# Altium PCB DMB.PcbDoc
Units mm, origin at the board's own origin, x right, y up, seen from the top; angles counter-clockwise.
Board outline 57 x 65.3 mm, 4 copper layers (Top Layer, Layer 1, Layer 2, Bottom Layer), stack 1.544 mm thick; 70 components, 69 nets, 298 pads, 172 vias.
Unrouted connection lines stored in the file: 4.
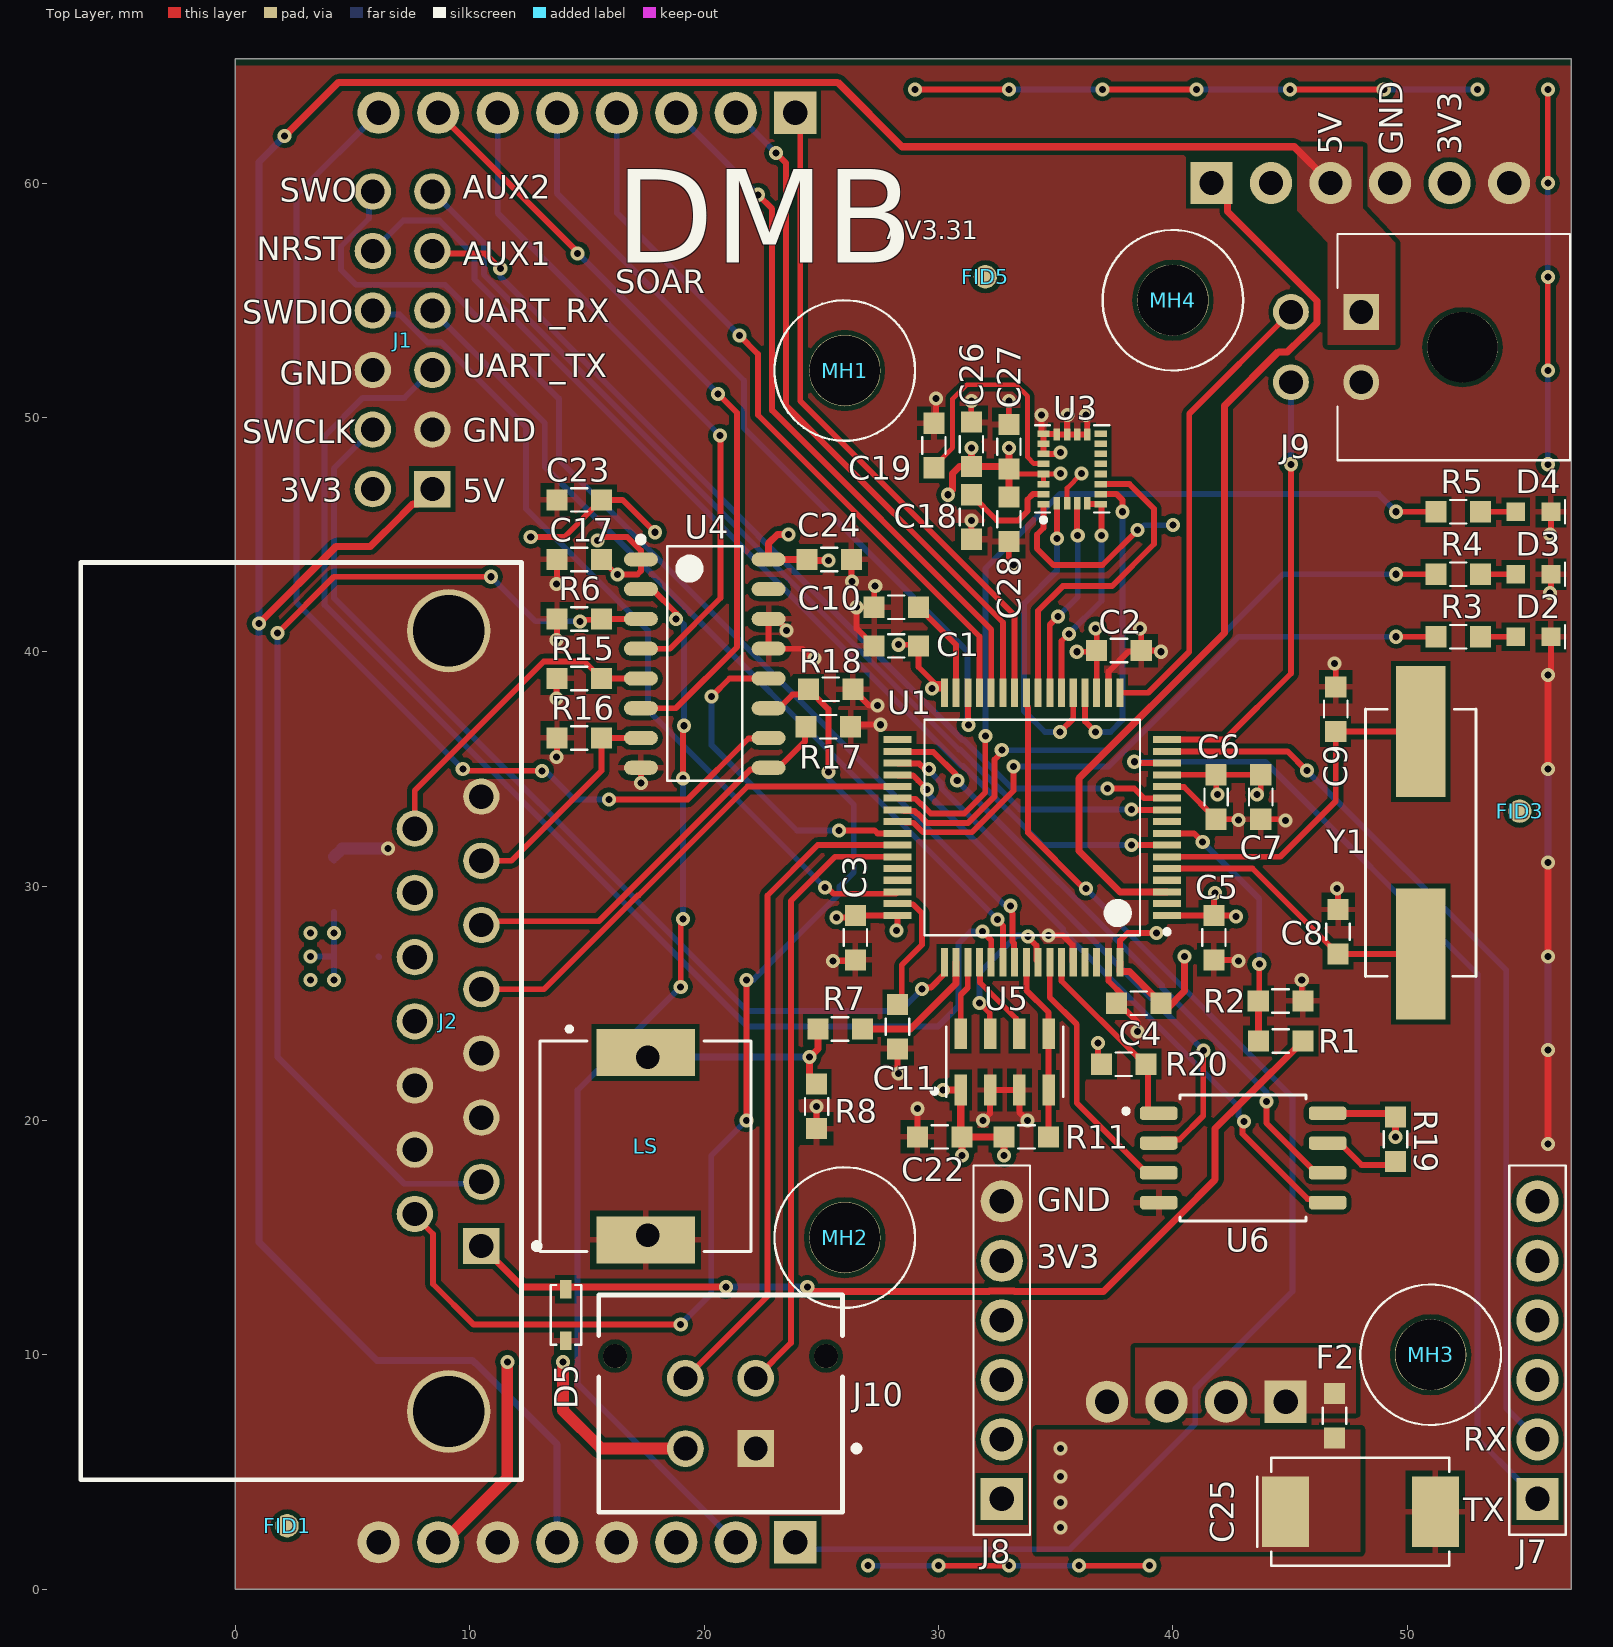
[diagram p0: Top Layer view]
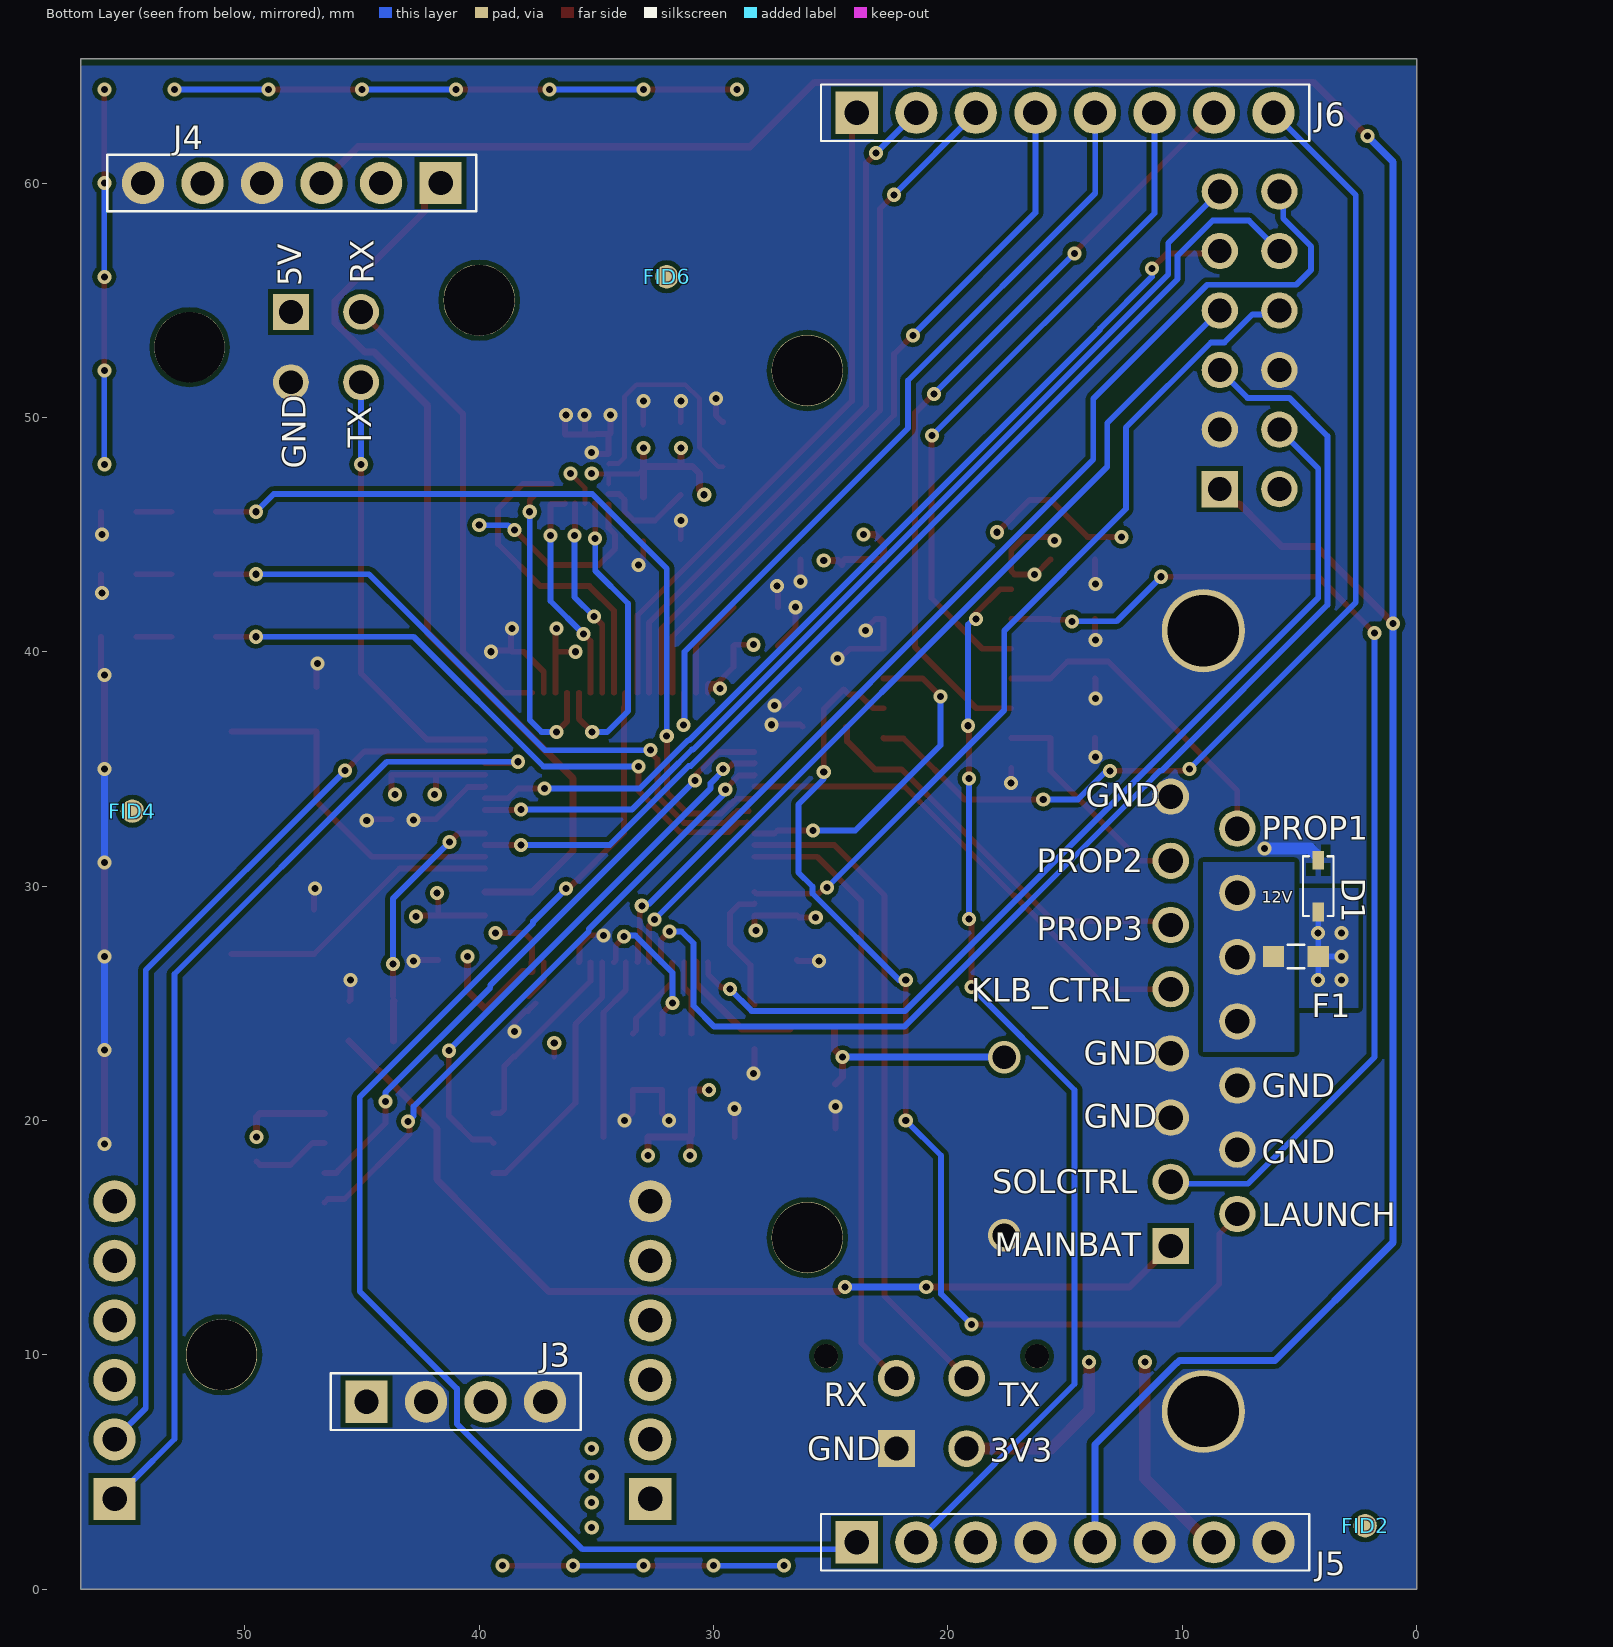
[diagram p1: Bottom Layer view, seen from below]
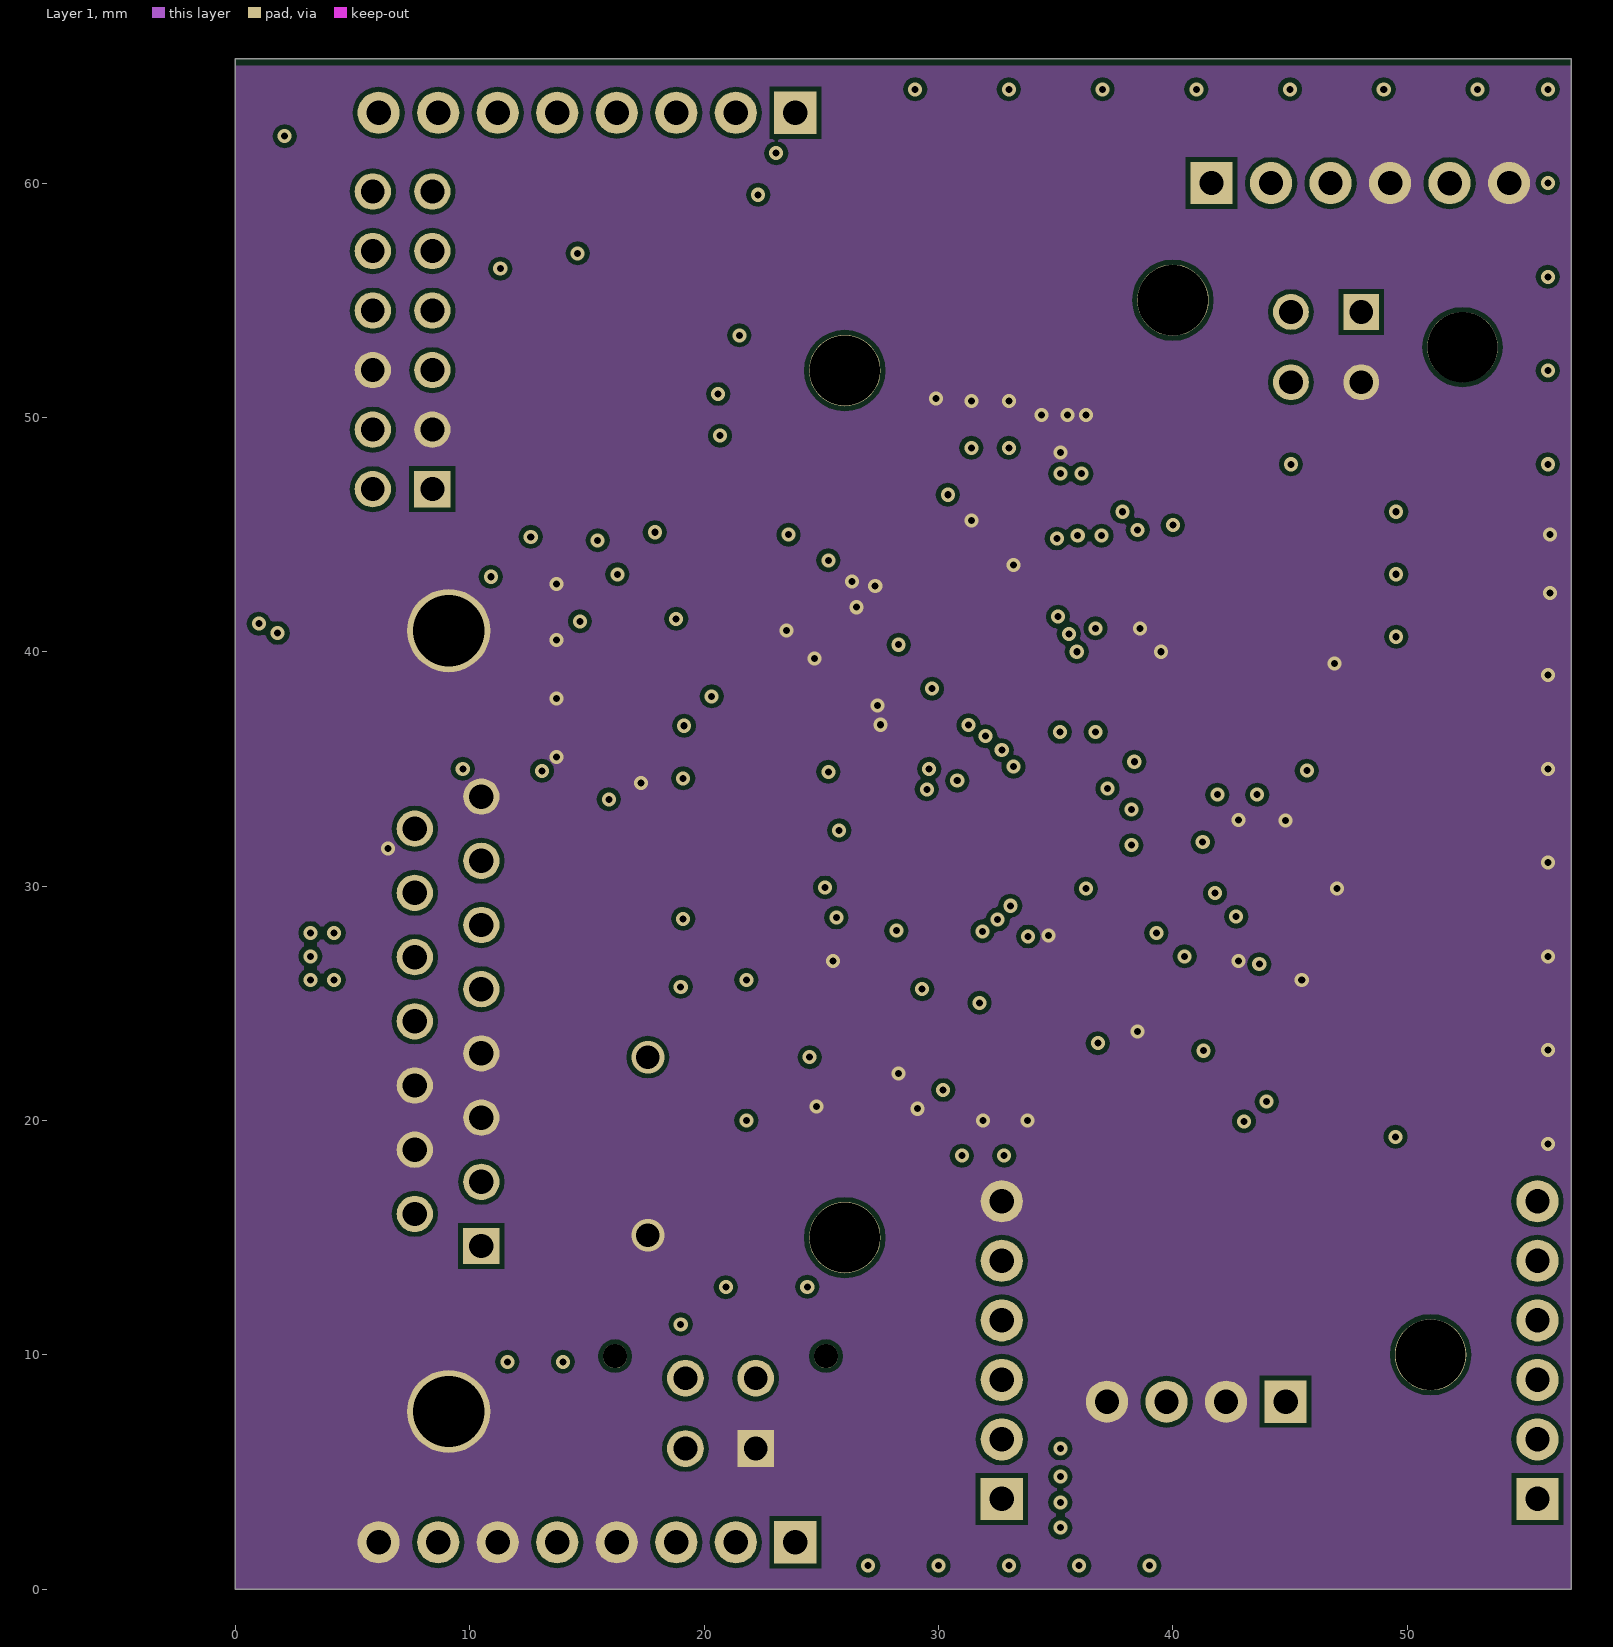
[diagram p2: Layer 1]
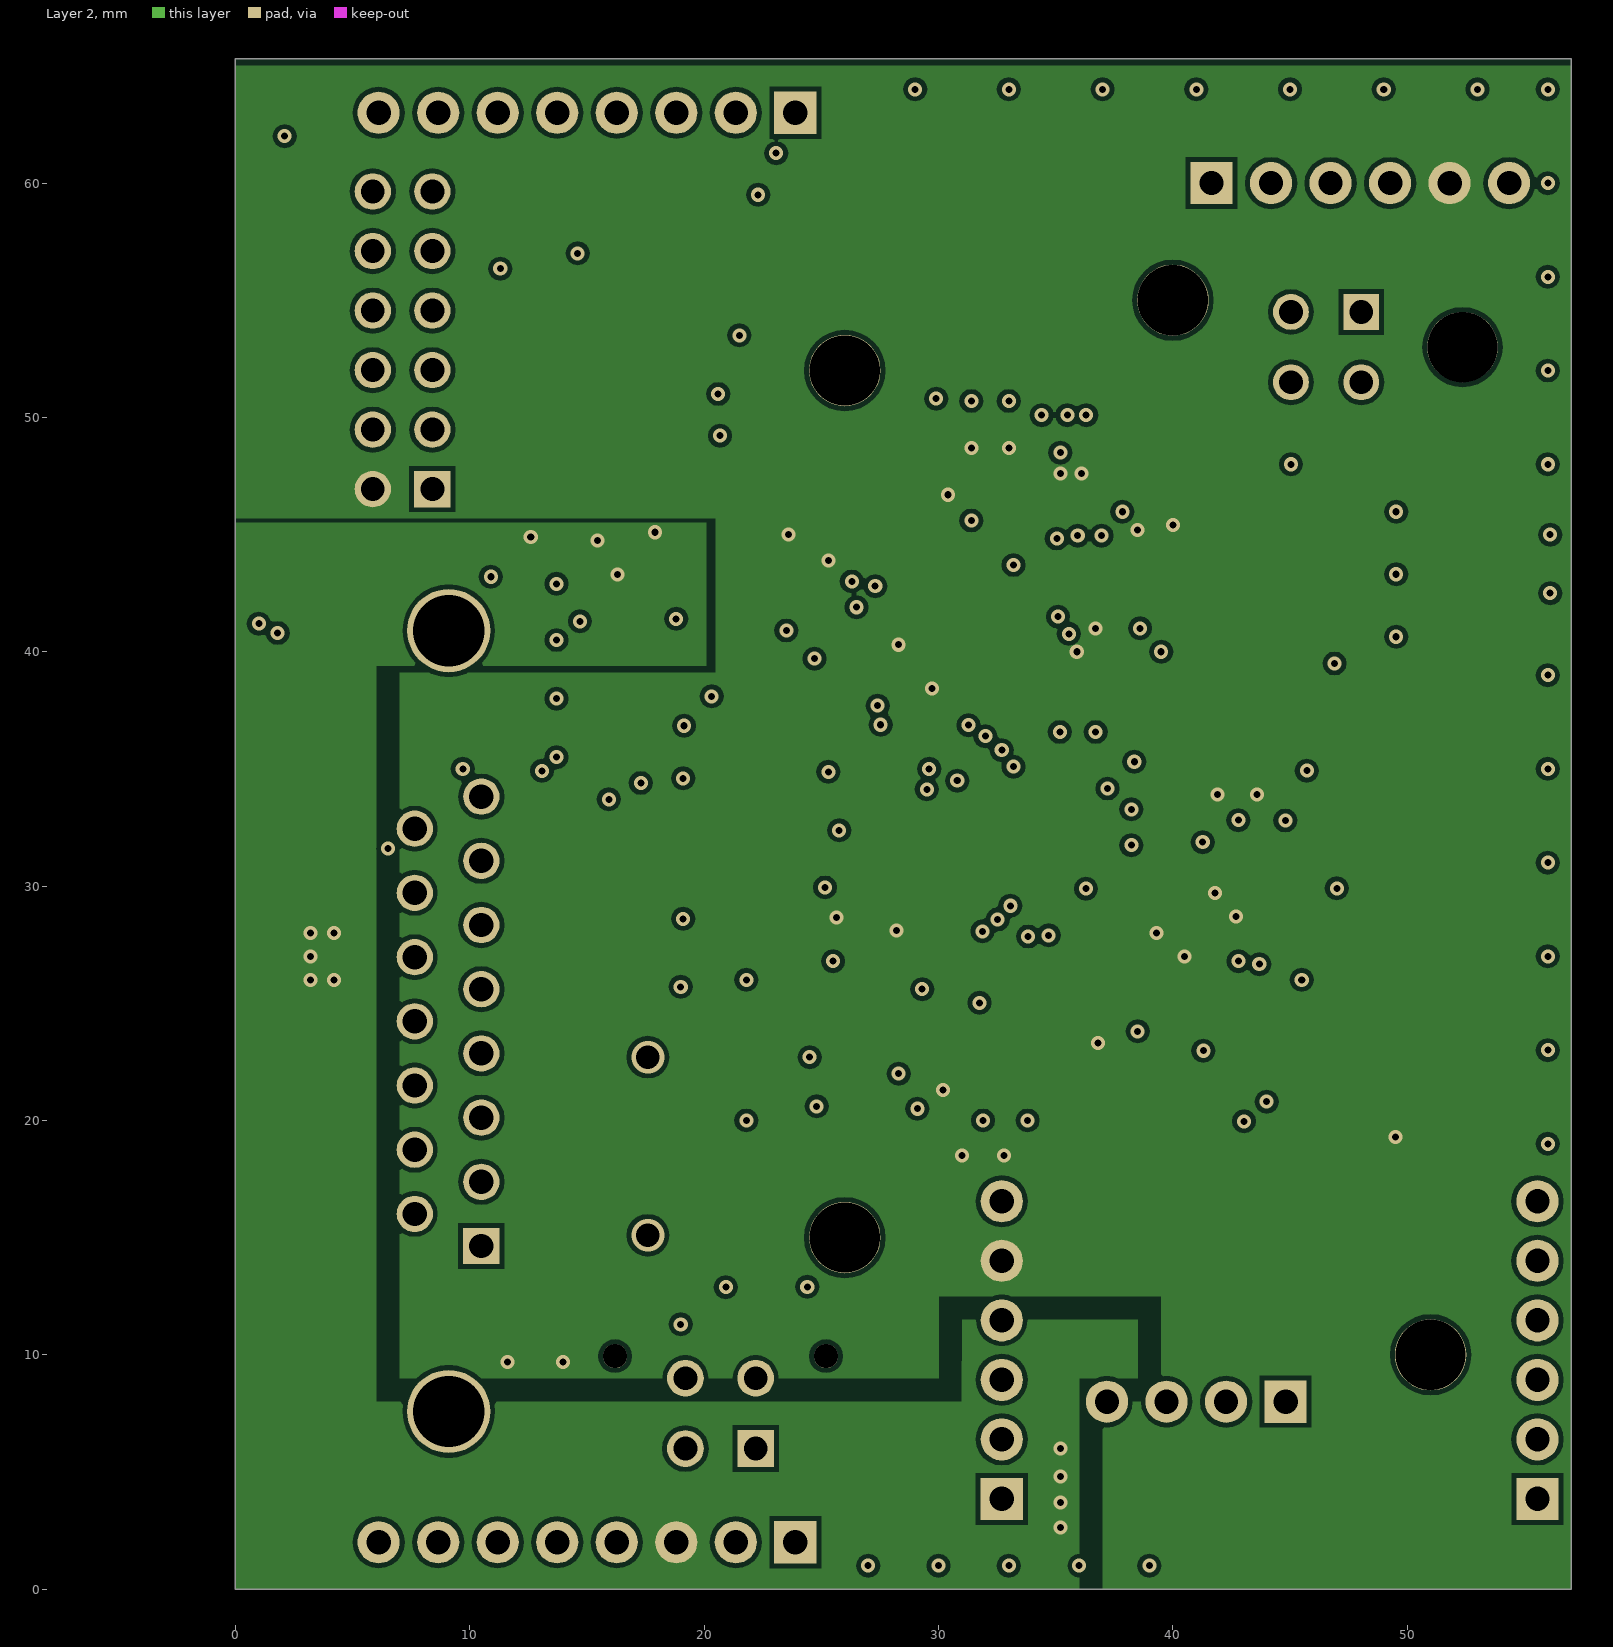
[diagram p3: Layer 2]
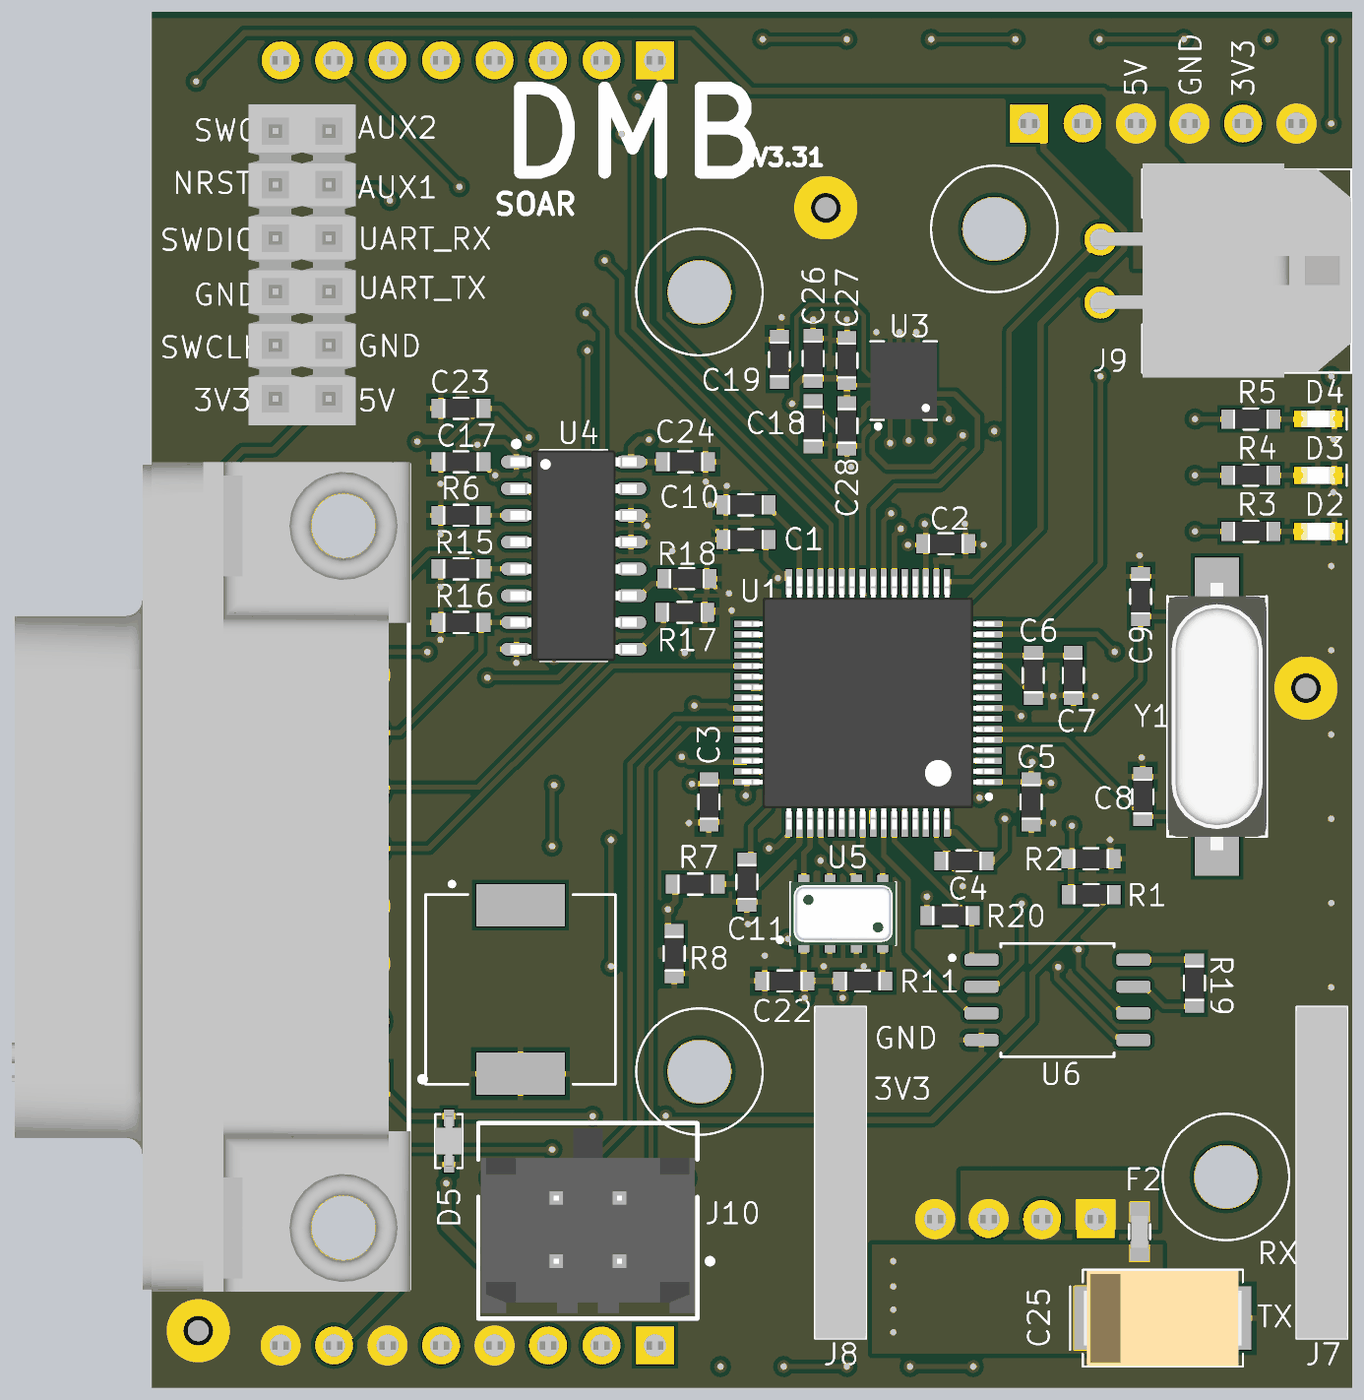
[diagram p4: 3D render of the assembled board from above, using the file's embedded part models]
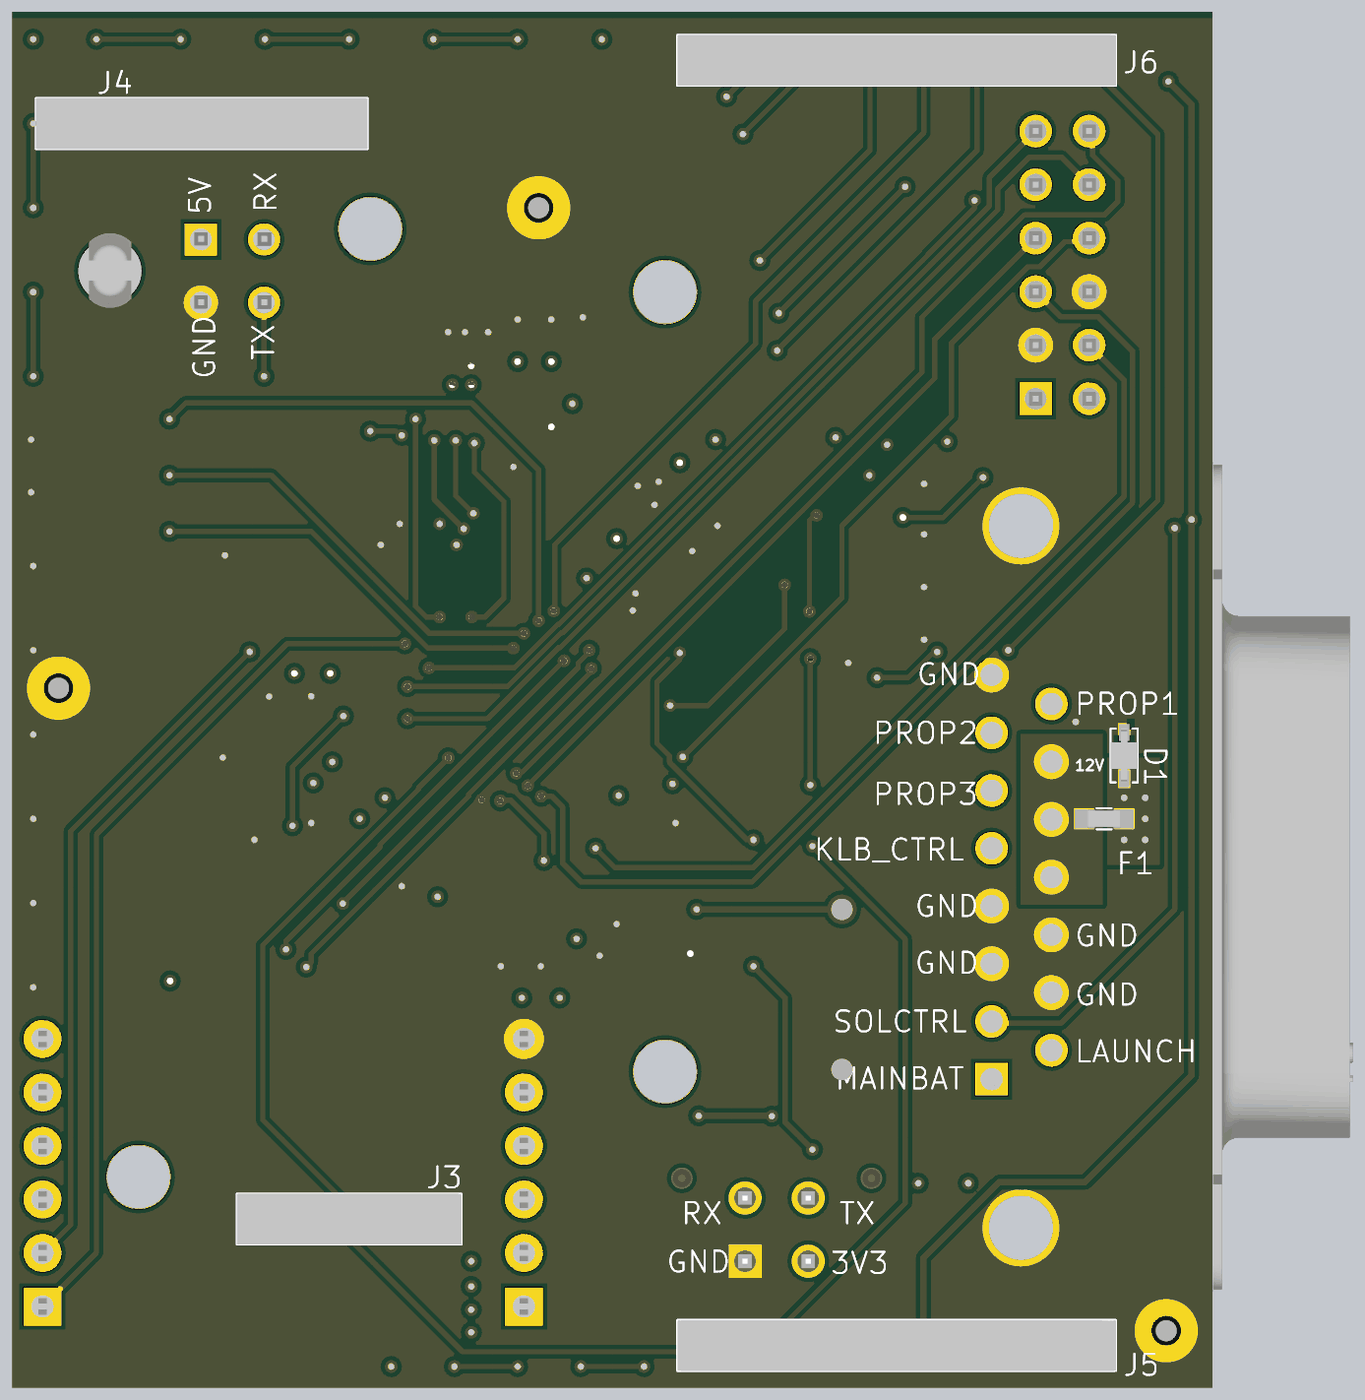
[diagram p5: 3D render of the assembled board from below, using the file's embedded part models]

## Layer stack, top to bottom
Top Solder: solder mask 0.0102, Solder Resist, Dk 3.5
Top Layer: signal copper 0.0356
Dielectric 2: core 0.231, Core-009, Dk 4.5
Layer 1: signal copper 0.036
Dielectric 1: prepreg 0.939, PP-006, Dk 4.1
Layer 2: signal copper 0.036
Dielectric 3: core 0.231, Core-009, Dk 4.5
Bottom Layer: signal copper 0.0356
Bottom Solder: solder mask 0.0102, Solder Resist, Dk 3.5

## Board outline
0,0 0,65.3 57,65.3 57,0

## Design rules (kind name [scope] priority, off if disabled: settings)
Clearance [All] p1: gap=0.2 ignorepadtopadclearanceinfootprint=FALSE except(0: Arc-Hole Track-Hole SMDPad-Hole THPad-Hole Via-Hole Fill-Hole Poly-Hole Region-Hole Text-Hole; 0.15: Arc-Arc Arc-Track Arc-SMDPad Track-Track Track-SMDPad SMDPad-SMDPad)
ComponentClearance [All] p1: gap=-50 collisioncheckmode=3 verticalgap=-50 showdistances=FALSE
DiffPairsRouting [All] p1: maxlimit=0.254 minlimit=0.15 mostfreqgap=0.254 toplayer_maxgap=0.25 toplayer_prefgap=0.15 toplayer_minwidth=0.15 toplayer_maxwidth=0.25 toplayer_prefwidth=0.25 midlayer1_mingap=0.254 midlayer1_minwidth=0.381 midlayer1_maxwidth=0.381 midlayer1_prefwidth=0.381 midlayer2_mingap=0.254 midlayer2_minwidth=0.381 midlayer2_maxwidth=0.381 midlayer2_prefwidth=0.381 bottomlayer_maxgap=0.25 bottomlayer_prefgap=0.15 bottomlayer_minwidth=0.15 bottomlayer_maxwidth=0.25 bottomlayer_prefwidth=0.25 maxuncoupledlength=12.7
Height [All] p1: minheight=0 maxheight=30 prefheight=12.7
HoleSize [All] p1: absolutevalues=TRUE maxlimit=5 minlimit=0.025 maxpercent=80.000 minpercent=20.000
MinimumSolderMaskSliver [All] p1: minsoldermaskwidth=0.05
PolygonConnect PowerConnectionGND [InNet('GND')] p1: thpad.connectstyle=Direct thpad.reliefconductorwidth=0.254 thpad.reliefentries=4 thpad.polygonreliefangle="90 Angle" thpad.airgapwidth=0.254 smdpad.connectstyle=Relief smdpad.reliefconductorwidth=0.254 smdpad.reliefentries=4 smdpad.polygonreliefangle="90 Angle" smdpad.airgapwidth=0.254 via.connectstyle=Direct via.reliefconductorwidth=0.254 via.reliefentries=4 via.polygonreliefangle="90 Angle" via.airgapwidth=0.254
PolygonConnect PowerConnection5V [InNet('+5V')] p2: connectstyle=Direct reliefconductorwidth=0.254 reliefentries=4 polygonreliefangle="90 Angle" airgapwidth=0.254
PolygonConnect PowerConnection12V [All] p3: connectstyle=Direct reliefconductorwidth=0.254 reliefentries=4 polygonreliefangle="90 Angle" airgapwidth=0.254
PolygonConnect [All] p4: thpad.connectstyle=Relief thpad.reliefconductorwidth=0.254 thpad.reliefentries=4 thpad.polygonreliefangle="90 Angle" thpad.airgapwidth=0.254 smdpad.connectstyle=Relief smdpad.reliefconductorwidth=0.254 smdpad.reliefentries=4 smdpad.polygonreliefangle="90 Angle" smdpad.airgapwidth=0.254 via.connectstyle=Direct via.reliefconductorwidth=0.254 via.reliefentries=4 via.polygonreliefangle="90 Angle" via.airgapwidth=0.254
RoutingVias [All] p1: holewidth=0.35 width=0.7 viastyle="Through Hole" minholewidth=0.25 minwidth=0.5 maxholewidth=1.2 maxwidth=1.4
SilkToSilkClearance [All] p1: silktosilkclearance=0.1
SilkToSolderMaskClearance [IsPad] p1: minsilkscreentomaskgap=0.09 clearancetoexposedcopper=TRUE
SolderMaskExpansion SolderMaskExpansion_Vias [IsVia] p1: expansion=0 istentingtop=TRUE
SolderMaskExpansion [All] p2: expansion=0.05 istentingtop=FALSE
Width [All] p1: maxlimit=2 minlimit=0.2 preferedwidth=0.25 midlayer1_maxwidth=1 midlayer2_maxwidth=1 minimp=50.000000 maximp=50.000000 favimp=50.000000
23 further rules are at their usual default settings.

## Components (designator, comment, footprint, x,y, rotation, side; value= is the part's Value field where it differs from the comment)
C1 "CL10A106MP8NNNC" 0603[1608] 28.2,40.252 r0 top
C2 "CGA3E2X7R1E104K080AA" 0603[1608] 37.7,40.052 r180 top
C3 "CGA3E2X7R1E104K080AA" 0603[1608] 26.45,27.802 r90 top
C4 "CGA3E2X7R1E104K080AA" 0603[1608] 38.55,25 r0 top
C5 "CGA3E2X7R1E104K080AA" 0603[1608] 41.75,27.802 r90 top
C6 "CL10A105KP8NNNC" 0603[1608] 41.85,33.802 r90 top
C7 "CGA3E2X7R1H103K080AA" 0603[1608] 43.75,33.802 r90 top
C8 "06035A240JAT2A" 0603[1608] 47.05,28.052 r90 top
C9 "06035A240JAT2A" 0603[1608] 46.95,37.552 r90 top
C10 "C1608X5R1C225K080AB" 0603[1608] 28.2,41.9 r0 top
C11 "C1608X5R1C225K080AB" 0603[1608] 28.25,24.002 r90 top
C17 "CL10A106MP8NNNC" 0603[1608] 14.671,43.942 r0 top
C18 "CGA3E2X7R1E104K080AA" 0603[1608] 31.4,45.75 r90 top
C19 "GRM1885C1H103JA01D" 0603[1608] 29.8,48.8 r270 top
C22 "CGA3E2X7R1E104K080AA" 0603[1608] 30.05,19.3 r0 top
C23 "CGA3E2X7R1E104K080AA" 0603[1608] 14.671,46.482 r0 top
C24 "CGA3E2X7R1E104K080AA" 0603[1608] 25.334,43.942 r180 top
C25 "TAJD157K016RNJ" TAJD157K016RNJ 48,3.3 r0 top
C26 "CL10A106MP8NNNC" 0603[1608] 31.4,48.85 r270 top
C27 "CGA3E2X7R1E104K080AA" 0603[1608] 33,48.75 r270 top
C28 "CGA3E2X7R1E104K080AA" 0603[1608] 33,45.65 r90 top
D1 "CDSOD323-T12C" CDSOD323-T12C 4.2,30 r90 bottom
D2 "LTST-C191KGKT" LTST-C191KGKT 55.384,40.64 r180 top
D3 "LTST-C191KGKT" LTST-C191KGKT 55.384,43.307 r180 top
D4 "LTST-C191KGKT" LTST-C191KGKT 55.384,45.974 r180 top
D5 "CDSOD323-T12C" CDSOD323-T12C 14.1,11.7 r270 top
F1 "SF-0603FP500M-2" SF-0603FP500M-2 5.15,27 r0 bottom
F2 "SF-0603FP500M-2" SF-0603FP500M-2 46.9,7.4 r90 top
FID1 "FID_1MM_ROUND_SL" FID_1MM_ROUND_SL 2.2,2.7 r0 top
FID2 "FID_1MM_ROUND_SL" FID_1MM_ROUND_SL 2.2,2.7 r90 bottom
FID3 "FID_1MM_ROUND_SL" FID_1MM_ROUND_SL 54.8,33.2 r90 top
FID4 "FID_1MM_ROUND_SL" FID_1MM_ROUND_SL 54.8,33.2 r90 bottom
FID5 "FID_1MM_ROUND_SL" FID_1MM_ROUND_SL 32,56 r90 top
FID6 "FID_1MM_ROUND_SL" FID_1MM_ROUND_SL 32,56 r90 bottom
J1 "TSW-106-07-G-D" SMTC-TSW-106-07-X-D 8.4,46.94 r90 top
J2 "5745782-4" TECO-5745782-4_V 9.072,24.24 r270 top
J3 "SSW-104-01-F-S" SSW-104-01-F-S 41,8 r180 bottom
J4 "SSW-106-01-F-S" SSW-106-01-F-S 48,60 r0 bottom locked
J5 "SSW-108-01-F-S" SSW-108-01-F-S 15,2 r180 bottom locked
J6 "SSW-108-01-F-S" SSW-108-01-F-S 15,63 r180 bottom locked
J7 "SSW-106-01-F-S" SSW-106-01-F-S 55.56,10.2 r90 top locked
J8 "SSW-106-01-F-S" SSW-106-01-F-S 32.7,10.2 r90 top locked
J9 "0430450400" 0430450400 48.7,53 r90 top
J10 "43045-0427" 43045-0427 20.7,7.915 r0 top